# KiCad board omnimarble-driver.kicad_pcb (continued)
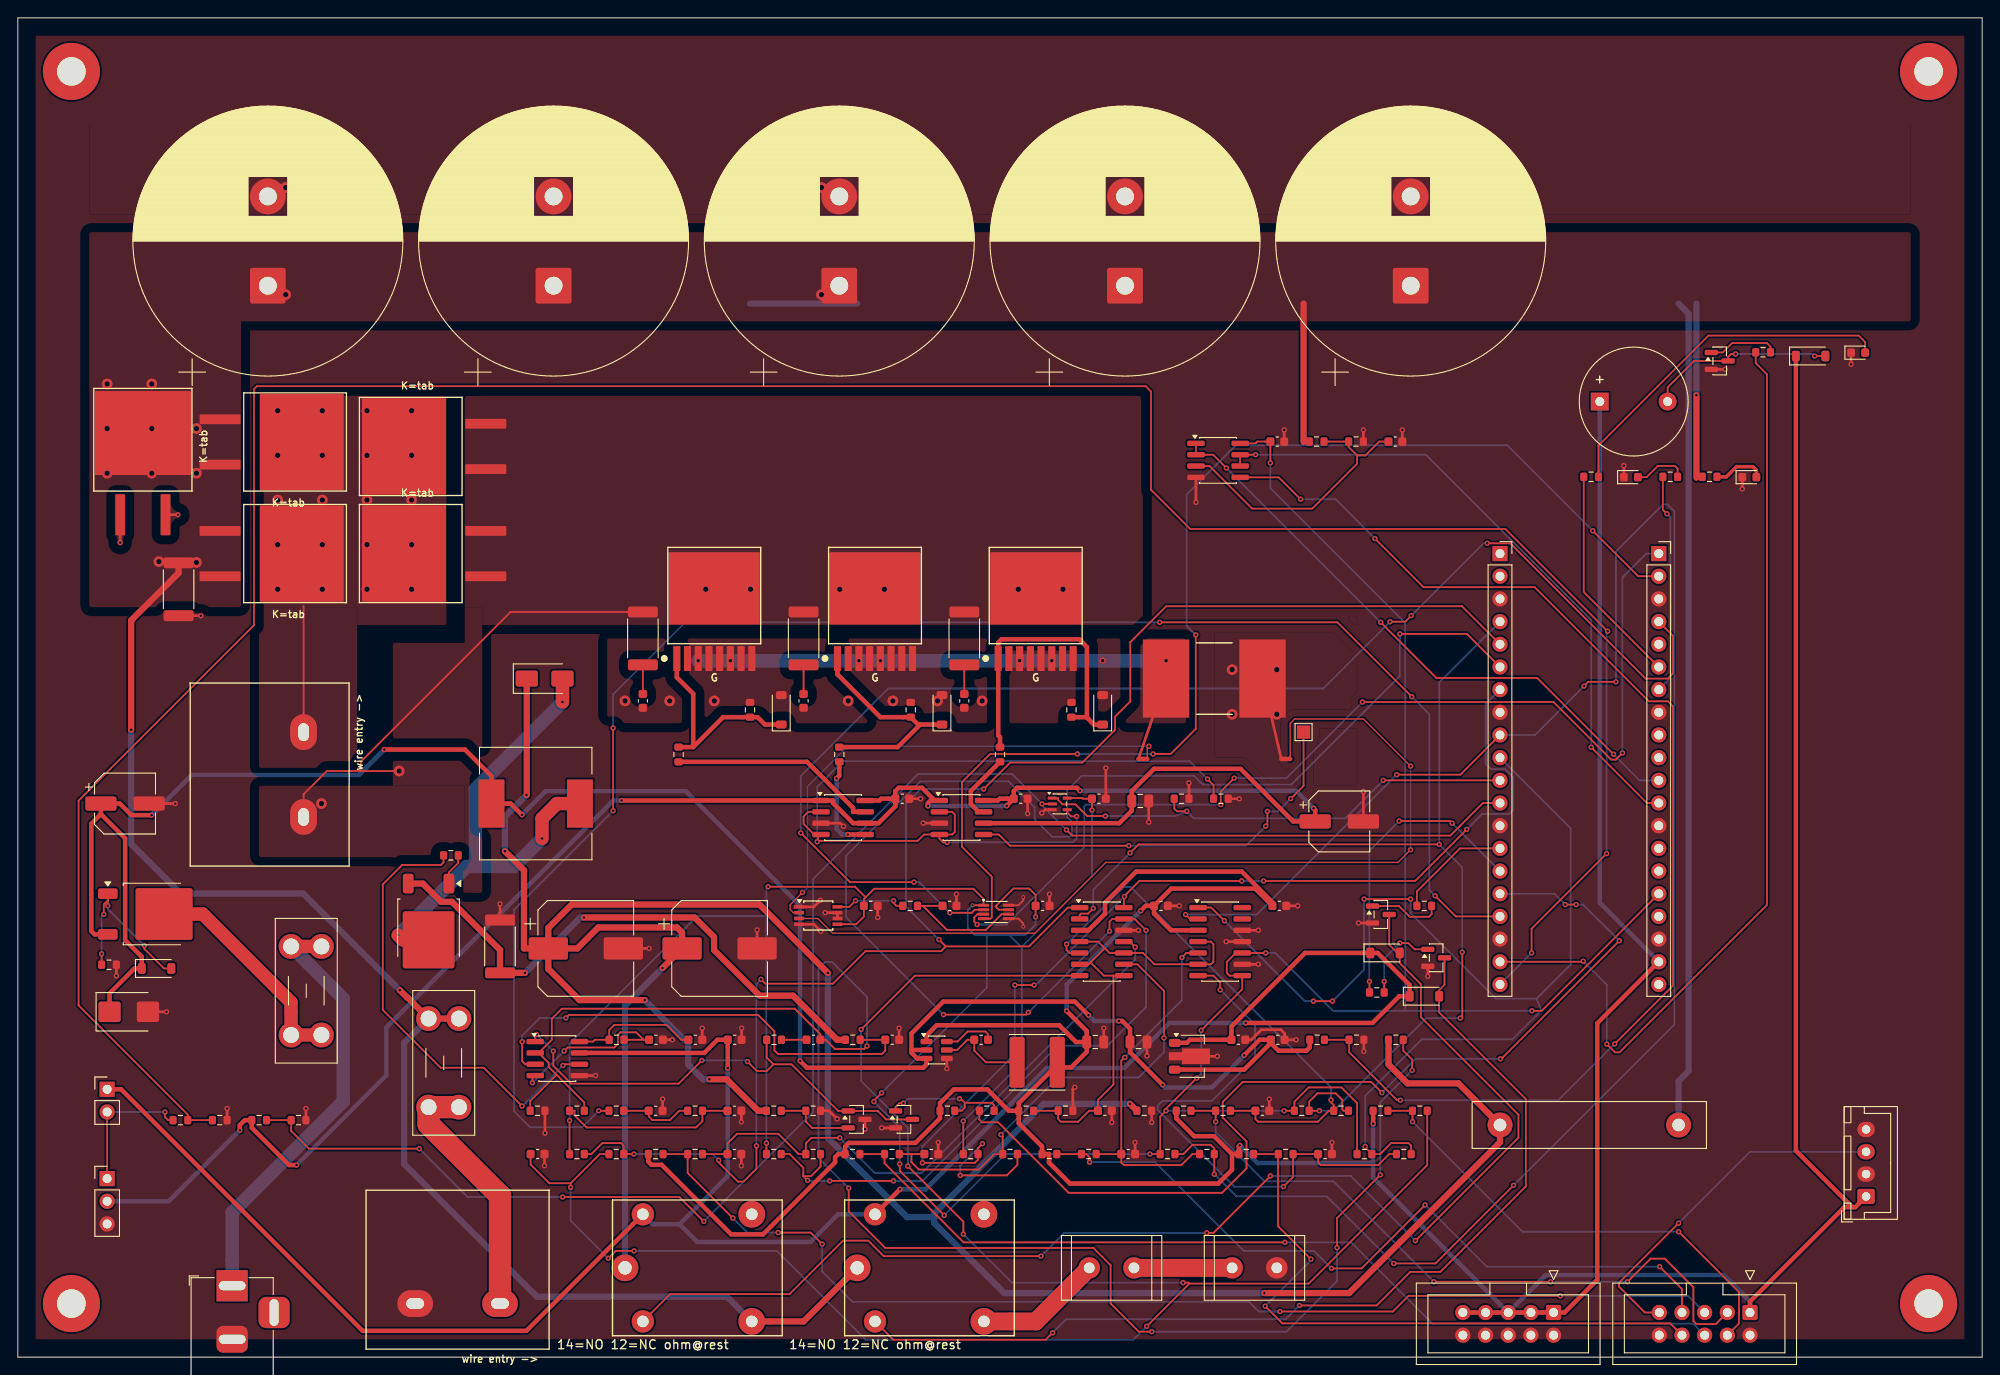
[diagram p0: board, top side]
## Routing (per net, layer and track width the routed paths; a pad name or vN(x,y) marks a point on that pad's centre or on a via; arc(x,y) is an arc through that point) (continued)
VSET_FLT: length 20.2
  Top w0.2: R12.1 62.34,27.59 62.34,27.09 63.7,25.73 75.96,25.73 76.67,26.44 R14.2 C15.1
VSET_PWM: length 191.3
  Top w0.2: v1(66.66,61.2) v1(66.66,70.46) ; v1(65.05,27.59) R13.1 ; v1(158.73,51.67) 161.05,49.36 J9.17 ; v1(156.12,73.97) 147.79,82.3 v1(127.88,82.3)
  Bottom w0.2: v1(156.12,73.97) 158.09,72 158.09,52.32 v1(158.73,51.67) ; v1(65.05,27.59) 63.2,25.75 57.36,25.75 55.57,27.54 55.57,50.1 v1(66.66,61.2) ; v1(66.66,70.46) 66.66,74.22 74.74,82.3 v1(127.88,82.3)
VSET_RC: length 8.4
  Top w0.2: R13.2 C14.1 70.66,26.97 71.07,26.56 73.04,26.56 74.08,27.59 R14.1
VTH_GATE: length 52.5
  Top w0.2: U11.4 120.99,46.54 121.73,45.8 ; U12.4 133.61,46.54 133.91,46.25 133.91,44.29 133.61,44 U12.6 127.29,44 126.02,45.27 U11.10 122.26,45.27 121.73,45.8 ; 122.71,42.73 121.62,42.73 120.14,44.21 ; 122.71,42.73 U11.8 ; 122.71,42.73 122.71,30.54 120.97,28.8 C29.1 119.98,27.59 118.75,26.37 116.8,26.37 116.51,26.66 R45.1 R44.2 ; 120.14,44.21 119.92,44 U11.6 ; 120.14,44.21 121.73,45.8

## Copper pours and planes (outline as drawn; the poured copper is in the pictures)
GND on Top: 8,138 212,138 212,128 8,128
GND on Top: 2,148 218,148 218,2 2,2
GND on Top: 134,84 150,84 150,64 134,64
GND on Bottom: 2,148 218,148 218,2 2,2
GND on Bottom: 134,84 150,84 150,64 134,64
GND on Bottom: 8,138 212,138 212,128 8,128
GND on In1.Cu: 2,148 218,148 218,2 2,2
GND on In2.Cu: 2,148 218,148 218,2 2,2
COIL_HI on Top: 27.1,108 48,108 48,82 27.1,82
COIL_HI on Top: 27,84 38,84 38,66 27,66
COIL_HI on Bottom: 27,84 38,84 38,66 27,66
COIL_HI on Bottom: 27.1,108 48,108 48,82 27.1,82
SHUNT_HI on Top: 66,80.5 131.5,80.5 131.5,71 66,71
SHUNT_HI on Bottom: 66,80.5 131.5,80.5 131.5,71 66,71
SW_DRAIN on Top: 42,80 50.05,80 50.05,84 52,84 52,52 42,52
SW_DRAIN on Top: 27,64 50.05,64 50.05,56 27,56
SW_DRAIN on Top: 50.05,108 126,108 126,82 50.05,82
SW_DRAIN on Bottom: 42,80 50.05,80 50.05,84 52,84 52,52 42,52
SW_DRAIN on Bottom: 50.05,108 126,108 126,82 50.05,82
SW_DRAIN on Bottom: 27,64 50.05,64 50.05,56 27,56
VBANK on Top: 8,126 212,126 212,116 25,116 25,84 8,84
VBANK on Bottom: 8,126 212,126 212,116 25,116 25,84 8,84
